# Allegro board LED_FIN.brd (continued)
## Placement (name value [footprint] x y rotation side) (continued)
D8681  0603_LED  [0603_SINGLE]  237.25 270 0 top
D8682  0603_LED  [0603_SINGLE]  239.25 270 0 top
D8683  0603_LED  [0603_SINGLE]  241.25 270 0 top
D8684  0603_LED  [0603_SINGLE]  243.25 270 0 top
D8685  0603_LED  [0603_SINGLE]  245.25 270 0 top
D8686  0603_LED  [0603_SINGLE]  247.25 270 0 top
D8687  0603_LED  [0603_SINGLE]  249.25 270 0 top
D8688  0603_LED  [0603_SINGLE]  251.25 270 0 top
D8689  0603_LED  [0603_SINGLE]  253.25 270 0 top
D8690  0603_LED  [0603_SINGLE]  255.25 270 0 top
D8691  0603_LED  [0603_SINGLE]  257.25 270 0 top
D8692  0603_LED  [0603_SINGLE]  259.25 270 0 top
D8693  0603_LED  [0603_SINGLE]  261.25 270 0 top
D8694  0603_LED  [0603_SINGLE]  263.25 270 0 top
D8695  0603_LED  [0603_SINGLE]  265.25 270 0 top
D8696  0603_LED  [0603_SINGLE]  267.25 270 0 top
D8697  0603_LED  [0603_SINGLE]  269.25 270 0 top
D8698  0603_LED  [0603_SINGLE]  271.25 270 0 top
D8699  0603_LED  [0603_SINGLE]  273.25 270 0 top
D8700  0603_LED  [0603_SINGLE]  275.25 270 0 top
D8701  0603_LED  [0603_SINGLE]  217.25 268 0 top
D8702  0603_LED  [0603_SINGLE]  219.25 268 0 top
D8703  0603_LED  [0603_SINGLE]  221.25 268 0 top
D8704  0603_LED  [0603_SINGLE]  223.25 268 0 top
D8705  0603_LED  [0603_SINGLE]  225.25 268 0 top
D8706  0603_LED  [0603_SINGLE]  227.25 268 0 top
D8707  0603_LED  [0603_SINGLE]  229.25 268 0 top
D8708  0603_LED  [0603_SINGLE]  231.25 268 0 top
D8709  0603_LED  [0603_SINGLE]  233.25 268 0 top
D8710  0603_LED  [0603_SINGLE]  235.25 268 0 top
D8711  0603_LED  [0603_SINGLE]  237.25 268 0 top
D8712  0603_LED  [0603_SINGLE]  239.25 268 0 top
D8713  0603_LED  [0603_SINGLE]  241.25 268 0 top
D8714  0603_LED  [0603_SINGLE]  243.25 268 0 top
D8715  0603_LED  [0603_SINGLE]  245.25 268 0 top
D8716  0603_LED  [0603_SINGLE]  247.25 268 0 top
D8717  0603_LED  [0603_SINGLE]  249.25 268 0 top
D8718  0603_LED  [0603_SINGLE]  251.25 268 0 top
D8719  0603_LED  [0603_SINGLE]  253.25 268 0 top
D8720  0603_LED  [0603_SINGLE]  255.25 268 0 top
D8721  0603_LED  [0603_SINGLE]  257.25 268 0 top
D8722  0603_LED  [0603_SINGLE]  259.25 268 0 top
D8723  0603_LED  [0603_SINGLE]  261.25 268 0 top
D8724  0603_LED  [0603_SINGLE]  263.25 268 0 top
D8725  0603_LED  [0603_SINGLE]  265.25 268 0 top
D8726  0603_LED  [0603_SINGLE]  267.25 268 0 top
D8727  0603_LED  [0603_SINGLE]  269.25 268 0 top
D8728  0603_LED  [0603_SINGLE]  271.25 268 0 top
D8729  0603_LED  [0603_SINGLE]  273.25 268 0 top
D8730  0603_LED  [0603_SINGLE]  275.25 268 0 top
D8731  0603_LED  [0603_SINGLE]  217.25 266 0 top
D8732  0603_LED  [0603_SINGLE]  219.25 266 0 top
D8733  0603_LED  [0603_SINGLE]  221.25 266 0 top
D8734  0603_LED  [0603_SINGLE]  223.25 266 0 top
D8735  0603_LED  [0603_SINGLE]  225.25 266 0 top
D8736  0603_LED  [0603_SINGLE]  227.25 266 0 top
D8737  0603_LED  [0603_SINGLE]  229.25 266 0 top
D8738  0603_LED  [0603_SINGLE]  231.25 266 0 top
D8739  0603_LED  [0603_SINGLE]  233.25 266 0 top
D8740  0603_LED  [0603_SINGLE]  235.25 266 0 top
D8741  0603_LED  [0603_SINGLE]  237.25 266 0 top
D8742  0603_LED  [0603_SINGLE]  239.25 266 0 top
D8743  0603_LED  [0603_SINGLE]  241.25 266 0 top
D8744  0603_LED  [0603_SINGLE]  243.25 266 0 top
D8745  0603_LED  [0603_SINGLE]  245.25 266 0 top
D8746  0603_LED  [0603_SINGLE]  247.25 266 0 top
D8747  0603_LED  [0603_SINGLE]  249.25 266 0 top
D8748  0603_LED  [0603_SINGLE]  251.25 266 0 top
D8749  0603_LED  [0603_SINGLE]  253.25 266 0 top
D8750  0603_LED  [0603_SINGLE]  255.25 266 0 top
D8751  0603_LED  [0603_SINGLE]  257.25 266 0 top
D8752  0603_LED  [0603_SINGLE]  259.25 266 0 top
D8753  0603_LED  [0603_SINGLE]  261.25 266 0 top
D8754  0603_LED  [0603_SINGLE]  263.25 266 0 top
D8755  0603_LED  [0603_SINGLE]  265.25 266 0 top
D8756  0603_LED  [0603_SINGLE]  267.25 266 0 top
D8757  0603_LED  [0603_SINGLE]  269.25 266 0 top
D8758  0603_LED  [0603_SINGLE]  271.25 266 0 top
D8759  0603_LED  [0603_SINGLE]  273.25 266 0 top
D8760  0603_LED  [0603_SINGLE]  275.25 266 0 top
D8761  0603_LED  [0603_SINGLE]  217.25 264 0 top
D8762  0603_LED  [0603_SINGLE]  219.25 264 0 top
D8763  0603_LED  [0603_SINGLE]  221.25 264 0 top
D8764  0603_LED  [0603_SINGLE]  223.25 264 0 top
D8765  0603_LED  [0603_SINGLE]  225.25 264 0 top
D8766  0603_LED  [0603_SINGLE]  227.25 264 0 top
D8767  0603_LED  [0603_SINGLE]  229.25 264 0 top
D8768  0603_LED  [0603_SINGLE]  231.25 264 0 top
D8769  0603_LED  [0603_SINGLE]  233.25 264 0 top
D8770  0603_LED  [0603_SINGLE]  235.25 264 0 top
D8771  0603_LED  [0603_SINGLE]  237.25 264 0 top
D8772  0603_LED  [0603_SINGLE]  239.25 264 0 top
D8773  0603_LED  [0603_SINGLE]  241.25 264 0 top
D8774  0603_LED  [0603_SINGLE]  243.25 264 0 top
D8775  0603_LED  [0603_SINGLE]  245.25 264 0 top
D8776  0603_LED  [0603_SINGLE]  247.25 264 0 top
D8777  0603_LED  [0603_SINGLE]  249.25 264 0 top
D8778  0603_LED  [0603_SINGLE]  251.25 264 0 top
D8779  0603_LED  [0603_SINGLE]  253.25 264 0 top
D8780  0603_LED  [0603_SINGLE]  255.25 264 0 top
D8781  0603_LED  [0603_SINGLE]  257.25 264 0 top
D8782  0603_LED  [0603_SINGLE]  259.25 264 0 top
D8783  0603_LED  [0603_SINGLE]  261.25 264 0 top
D8784  0603_LED  [0603_SINGLE]  263.25 264 0 top
D8785  0603_LED  [0603_SINGLE]  265.25 264 0 top
D8786  0603_LED  [0603_SINGLE]  267.25 264 0 top
D8787  0603_LED  [0603_SINGLE]  269.25 264 0 top
D8788  0603_LED  [0603_SINGLE]  271.25 264 0 top
D8789  0603_LED  [0603_SINGLE]  273.25 264 0 top
D8790  0603_LED  [0603_SINGLE]  275.25 264 0 top
D8791  0603_LED  [0603_SINGLE]  217.25 262 0 top
D8792  0603_LED  [0603_SINGLE]  219.25 262 0 top
D8793  0603_LED  [0603_SINGLE]  221.25 262 0 top
D8794  0603_LED  [0603_SINGLE]  223.25 262 0 top
D8795  0603_LED  [0603_SINGLE]  225.25 262 0 top
D8796  0603_LED  [0603_SINGLE]  227.25 262 0 top
D8797  0603_LED  [0603_SINGLE]  229.25 262 0 top
D8798  0603_LED  [0603_SINGLE]  231.25 262 0 top
D8799  0603_LED  [0603_SINGLE]  233.25 262 0 top
D8800  0603_LED  [0603_SINGLE]  235.25 262 0 top
D8801  0603_LED  [0603_SINGLE]  237.25 262 0 top
D8802  0603_LED  [0603_SINGLE]  239.25 262 0 top
D8803  0603_LED  [0603_SINGLE]  241.25 262 0 top
D8804  0603_LED  [0603_SINGLE]  243.25 262 0 top
D8805  0603_LED  [0603_SINGLE]  245.25 262 0 top
D8806  0603_LED  [0603_SINGLE]  247.25 262 0 top
D8807  0603_LED  [0603_SINGLE]  249.25 262 0 top
D8808  0603_LED  [0603_SINGLE]  251.25 262 0 top
D8809  0603_LED  [0603_SINGLE]  253.25 262 0 top
D8810  0603_LED  [0603_SINGLE]  255.25 262 0 top
D8811  0603_LED  [0603_SINGLE]  257.25 262 0 top
D8812  0603_LED  [0603_SINGLE]  259.25 262 0 top
D8813  0603_LED  [0603_SINGLE]  261.25 262 0 top
D8814  0603_LED  [0603_SINGLE]  263.25 262 0 top
D8815  0603_LED  [0603_SINGLE]  265.25 262 0 top
D8816  0603_LED  [0603_SINGLE]  267.25 262 0 top
D8817  0603_LED  [0603_SINGLE]  269.25 262 0 top
D8818  0603_LED  [0603_SINGLE]  271.25 262 0 top
D8819  0603_LED  [0603_SINGLE]  273.25 262 0 top
D8820  0603_LED  [0603_SINGLE]  275.25 262 0 top
D8821  0603_LED  [0603_SINGLE]  217.25 260 0 top
D8822  0603_LED  [0603_SINGLE]  219.25 260 0 top
D8823  0603_LED  [0603_SINGLE]  221.25 260 0 top
D8824  0603_LED  [0603_SINGLE]  223.25 260 0 top
D8825  0603_LED  [0603_SINGLE]  225.25 260 0 top
D8826  0603_LED  [0603_SINGLE]  227.25 260 0 top
D8827  0603_LED  [0603_SINGLE]  229.25 260 0 top
D8828  0603_LED  [0603_SINGLE]  231.25 260 0 top
D8829  0603_LED  [0603_SINGLE]  233.25 260 0 top
D8830  0603_LED  [0603_SINGLE]  235.25 260 0 top
D8831  0603_LED  [0603_SINGLE]  237.25 260 0 top
D8832  0603_LED  [0603_SINGLE]  239.25 260 0 top
D8833  0603_LED  [0603_SINGLE]  241.25 260 0 top
D8834  0603_LED  [0603_SINGLE]  243.25 260 0 top
D8835  0603_LED  [0603_SINGLE]  245.25 260 0 top
D8836  0603_LED  [0603_SINGLE]  247.25 260 0 top
D8837  0603_LED  [0603_SINGLE]  249.25 260 0 top
D8838  0603_LED  [0603_SINGLE]  251.25 260 0 top
D8839  0603_LED  [0603_SINGLE]  253.25 260 0 top
D8840  0603_LED  [0603_SINGLE]  255.25 260 0 top
D8841  0603_LED  [0603_SINGLE]  257.25 260 0 top
D8842  0603_LED  [0603_SINGLE]  259.25 260 0 top
D8843  0603_LED  [0603_SINGLE]  261.25 260 0 top
D8844  0603_LED  [0603_SINGLE]  263.25 260 0 top
D8845  0603_LED  [0603_SINGLE]  265.25 260 0 top
D8846  0603_LED  [0603_SINGLE]  267.25 260 0 top
D8847  0603_LED  [0603_SINGLE]  269.25 260 0 top
D8848  0603_LED  [0603_SINGLE]  271.25 260 0 top
D8849  0603_LED  [0603_SINGLE]  273.25 260 0 top
D8850  0603_LED  [0603_SINGLE]  275.25 260 0 top
D8851  0603_LED  [0603_SINGLE]  217.25 258 0 top
D8852  0603_LED  [0603_SINGLE]  219.25 258 0 top
D8853  0603_LED  [0603_SINGLE]  221.25 258 0 top
D8854  0603_LED  [0603_SINGLE]  223.25 258 0 top
D8855  0603_LED  [0603_SINGLE]  225.25 258 0 top
D8856  0603_LED  [0603_SINGLE]  227.25 258 0 top
D8857  0603_LED  [0603_SINGLE]  229.25 258 0 top
D8858  0603_LED  [0603_SINGLE]  231.25 258 0 top
D8859  0603_LED  [0603_SINGLE]  233.25 258 0 top
D8860  0603_LED  [0603_SINGLE]  235.25 258 0 top
D8861  0603_LED  [0603_SINGLE]  237.25 258 0 top
D8862  0603_LED  [0603_SINGLE]  239.25 258 0 top
D8863  0603_LED  [0603_SINGLE]  241.25 258 0 top
D8864  0603_LED  [0603_SINGLE]  243.25 258 0 top
D8865  0603_LED  [0603_SINGLE]  245.25 258 0 top
D8866  0603_LED  [0603_SINGLE]  247.25 258 0 top
D8867  0603_LED  [0603_SINGLE]  249.25 258 0 top
D8868  0603_LED  [0603_SINGLE]  251.25 258 0 top
D8869  0603_LED  [0603_SINGLE]  253.25 258 0 top
D8870  0603_LED  [0603_SINGLE]  255.25 258 0 top
D8871  0603_LED  [0603_SINGLE]  257.25 258 0 top
D8872  0603_LED  [0603_SINGLE]  259.25 258 0 top
D8873  0603_LED  [0603_SINGLE]  261.25 258 0 top
D8874  0603_LED  [0603_SINGLE]  263.25 258 0 top
D8875  0603_LED  [0603_SINGLE]  265.25 258 0 top
D8876  0603_LED  [0603_SINGLE]  267.25 258 0 top
D8877  0603_LED  [0603_SINGLE]  269.25 258 0 top
D8878  0603_LED  [0603_SINGLE]  271.25 258 0 top
D8879  0603_LED  [0603_SINGLE]  273.25 258 0 top
D8880  0603_LED  [0603_SINGLE]  275.25 258 0 top
D8881  0603_LED  [0603_SINGLE]  217.25 256 0 top
D8882  0603_LED  [0603_SINGLE]  219.25 256 0 top
D8883  0603_LED  [0603_SINGLE]  221.25 256 0 top
D8884  0603_LED  [0603_SINGLE]  223.25 256 0 top
D8885  0603_LED  [0603_SINGLE]  225.25 256 0 top
D8886  0603_LED  [0603_SINGLE]  227.25 256 0 top
D8887  0603_LED  [0603_SINGLE]  229.25 256 0 top
D8888  0603_LED  [0603_SINGLE]  231.25 256 0 top
D8889  0603_LED  [0603_SINGLE]  233.25 256 0 top
D8890  0603_LED  [0603_SINGLE]  235.25 256 0 top
D8891  0603_LED  [0603_SINGLE]  237.25 256 0 top
D8892  0603_LED  [0603_SINGLE]  239.25 256 0 top
D8893  0603_LED  [0603_SINGLE]  241.25 256 0 top
D8894  0603_LED  [0603_SINGLE]  243.25 256 0 top
D8895  0603_LED  [0603_SINGLE]  245.25 256 0 top
D8896  0603_LED  [0603_SINGLE]  247.25 256 0 top
D8897  0603_LED  [0603_SINGLE]  249.25 256 0 top
D8898  0603_LED  [0603_SINGLE]  251.25 256 0 top
D8899  0603_LED  [0603_SINGLE]  253.25 256 0 top
D8900  0603_LED  [0603_SINGLE]  255.25 256 0 top
D8901  0603_LED  [0603_SINGLE]  257.25 256 0 top
D8902  0603_LED  [0603_SINGLE]  259.25 256 0 top
D8903  0603_LED  [0603_SINGLE]  261.25 256 0 top
D8904  0603_LED  [0603_SINGLE]  263.25 256 0 top
D8905  0603_LED  [0603_SINGLE]  265.25 256 0 top
D8906  0603_LED  [0603_SINGLE]  267.25 256 0 top
D8907  0603_LED  [0603_SINGLE]  269.25 256 0 top
D8908  0603_LED  [0603_SINGLE]  271.25 256 0 top
D8909  0603_LED  [0603_SINGLE]  273.25 256 0 top
D8910  0603_LED  [0603_SINGLE]  275.25 256 0 top
D8911  0603_LED  [0603_SINGLE]  217.25 254 0 top
D8912  0603_LED  [0603_SINGLE]  219.25 254 0 top
D8913  0603_LED  [0603_SINGLE]  221.25 254 0 top
D8914  0603_LED  [0603_SINGLE]  223.25 254 0 top
D8915  0603_LED  [0603_SINGLE]  225.25 254 0 top
D8916  0603_LED  [0603_SINGLE]  227.25 254 0 top
D8917  0603_LED  [0603_SINGLE]  229.25 254 0 top
D8918  0603_LED  [0603_SINGLE]  231.25 254 0 top
D8919  0603_LED  [0603_SINGLE]  233.25 254 0 top
D8920  0603_LED  [0603_SINGLE]  235.25 254 0 top
D8921  0603_LED  [0603_SINGLE]  237.25 254 0 top
D8922  0603_LED  [0603_SINGLE]  239.25 254 0 top
D8923  0603_LED  [0603_SINGLE]  241.25 254 0 top
D8924  0603_LED  [0603_SINGLE]  243.25 254 0 top
D8925  0603_LED  [0603_SINGLE]  245.25 254 0 top
D8926  0603_LED  [0603_SINGLE]  247.25 254 0 top
D8927  0603_LED  [0603_SINGLE]  249.25 254 0 top
D8928  0603_LED  [0603_SINGLE]  251.25 254 0 top
D8929  0603_LED  [0603_SINGLE]  253.25 254 0 top
D8930  0603_LED  [0603_SINGLE]  255.25 254 0 top
D8931  0603_LED  [0603_SINGLE]  257.25 254 0 top
D8932  0603_LED  [0603_SINGLE]  259.25 254 0 top
D8933  0603_LED  [0603_SINGLE]  261.25 254 0 top
D8934  0603_LED  [0603_SINGLE]  263.25 254 0 top
D8935  0603_LED  [0603_SINGLE]  265.25 254 0 top
D8936  0603_LED  [0603_SINGLE]  267.25 254 0 top
D8937  0603_LED  [0603_SINGLE]  269.25 254 0 top
D8938  0603_LED  [0603_SINGLE]  271.25 254 0 top
D8939  0603_LED  [0603_SINGLE]  273.25 254 0 top
D8940  0603_LED  [0603_SINGLE]  275.25 254 0 top
D8941  0603_LED  [0603_SINGLE]  217.25 252 0 top
D8942  0603_LED  [0603_SINGLE]  219.25 252 0 top
D8943  0603_LED  [0603_SINGLE]  221.25 252 0 top
D8944  0603_LED  [0603_SINGLE]  223.25 252 0 top
D8945  0603_LED  [0603_SINGLE]  225.25 252 0 top
D8946  0603_LED  [0603_SINGLE]  227.25 252 0 top
D8947  0603_LED  [0603_SINGLE]  229.25 252 0 top
D8948  0603_LED  [0603_SINGLE]  231.25 252 0 top
D8949  0603_LED  [0603_SINGLE]  233.25 252 0 top
D8950  0603_LED  [0603_SINGLE]  235.25 252 0 top
D8951  0603_LED  [0603_SINGLE]  237.25 252 0 top
D8952  0603_LED  [0603_SINGLE]  239.25 252 0 top
D8953  0603_LED  [0603_SINGLE]  241.25 252 0 top
D8954  0603_LED  [0603_SINGLE]  243.25 252 0 top
D8955  0603_LED  [0603_SINGLE]  245.25 252 0 top
D8956  0603_LED  [0603_SINGLE]  247.25 252 0 top
D8957  0603_LED  [0603_SINGLE]  249.25 252 0 top
D8958  0603_LED  [0603_SINGLE]  251.25 252 0 top
D8959  0603_LED  [0603_SINGLE]  253.25 252 0 top
D8960  0603_LED  [0603_SINGLE]  255.25 252 0 top
D8961  0603_LED  [0603_SINGLE]  257.25 252 0 top
D8962  0603_LED  [0603_SINGLE]  259.25 252 0 top
D8963  0603_LED  [0603_SINGLE]  261.25 252 0 top
D8964  0603_LED  [0603_SINGLE]  263.25 252 0 top
D8965  0603_LED  [0603_SINGLE]  265.25 252 0 top
D8966  0603_LED  [0603_SINGLE]  267.25 252 0 top
D8967  0603_LED  [0603_SINGLE]  269.25 252 0 top
D8968  0603_LED  [0603_SINGLE]  271.25 252 0 top
D8969  0603_LED  [0603_SINGLE]  273.25 252 0 top
D8970  0603_LED  [0603_SINGLE]  275.25 252 0 top
D8971  0603_LED  [0603_SINGLE]  217.25 250 0 top
D8972  0603_LED  [0603_SINGLE]  219.25 250 0 top
D8973  0603_LED  [0603_SINGLE]  221.25 250 0 top
D8974  0603_LED  [0603_SINGLE]  223.25 250 0 top
D8975  0603_LED  [0603_SINGLE]  225.25 250 0 top
D8976  0603_LED  [0603_SINGLE]  227.25 250 0 top
D8977  0603_LED  [0603_SINGLE]  229.25 250 0 top
D8978  0603_LED  [0603_SINGLE]  231.25 250 0 top
D8979  0603_LED  [0603_SINGLE]  233.25 250 0 top
D8980  0603_LED  [0603_SINGLE]  235.25 250 0 top
D8981  0603_LED  [0603_SINGLE]  237.25 250 0 top
D8982  0603_LED  [0603_SINGLE]  239.25 250 0 top
D8983  0603_LED  [0603_SINGLE]  241.25 250 0 top
D8984  0603_LED  [0603_SINGLE]  243.25 250 0 top
D8985  0603_LED  [0603_SINGLE]  245.25 250 0 top
D8986  0603_LED  [0603_SINGLE]  247.25 250 0 top
D8987  0603_LED  [0603_SINGLE]  249.25 250 0 top
D8988  0603_LED  [0603_SINGLE]  251.25 250 0 top
D8989  0603_LED  [0603_SINGLE]  253.25 250 0 top
D8990  0603_LED  [0603_SINGLE]  255.25 250 0 top
D8991  0603_LED  [0603_SINGLE]  257.25 250 0 top
D8992  0603_LED  [0603_SINGLE]  259.25 250 0 top
D8993  0603_LED  [0603_SINGLE]  261.25 250 0 top
D8994  0603_LED  [0603_SINGLE]  263.25 250 0 top
D8995  0603_LED  [0603_SINGLE]  265.25 250 0 top
D8996  0603_LED  [0603_SINGLE]  267.25 250 0 top
D8997  0603_LED  [0603_SINGLE]  269.25 250 0 top
D8998  0603_LED  [0603_SINGLE]  271.25 250 0 top
D8999  0603_LED  [0603_SINGLE]  273.25 250 0 top
D9000  0603_LED  [0603_SINGLE]  275.25 250 0 top
D9001  0603_LED  [0603_SINGLE]  217.25 248 0 top
D9002  0603_LED  [0603_SINGLE]  219.25 248 0 top
D9003  0603_LED  [0603_SINGLE]  221.25 248 0 top
D9004  0603_LED  [0603_SINGLE]  223.25 248 0 top
D9005  0603_LED  [0603_SINGLE]  225.25 248 0 top
D9006  0603_LED  [0603_SINGLE]  227.25 248 0 top
D9007  0603_LED  [0603_SINGLE]  229.25 248 0 top
D9008  0603_LED  [0603_SINGLE]  231.25 248 0 top
D9009  0603_LED  [0603_SINGLE]  233.25 248 0 top
D9010  0603_LED  [0603_SINGLE]  235.25 248 0 top
D9011  0603_LED  [0603_SINGLE]  237.25 248 0 top
D9012  0603_LED  [0603_SINGLE]  239.25 248 0 top
D9013  0603_LED  [0603_SINGLE]  241.25 248 0 top
D9014  0603_LED  [0603_SINGLE]  243.25 248 0 top
D9015  0603_LED  [0603_SINGLE]  245.25 248 0 top
D9016  0603_LED  [0603_SINGLE]  247.25 248 0 top
D9017  0603_LED  [0603_SINGLE]  249.25 248 0 top
D9018  0603_LED  [0603_SINGLE]  251.25 248 0 top
D9019  0603_LED  [0603_SINGLE]  253.25 248 0 top
D9020  0603_LED  [0603_SINGLE]  255.25 248 0 top
D9021  0603_LED  [0603_SINGLE]  257.25 248 0 top
D9022  0603_LED  [0603_SINGLE]  259.25 248 0 top
D9023  0603_LED  [0603_SINGLE]  261.25 248 0 top
D9024  0603_LED  [0603_SINGLE]  263.25 248 0 top
D9025  0603_LED  [0603_SINGLE]  265.25 248 0 top
D9026  0603_LED  [0603_SINGLE]  267.25 248 0 top
D9027  0603_LED  [0603_SINGLE]  269.25 248 0 top
D9028  0603_LED  [0603_SINGLE]  271.25 248 0 top
D9029  0603_LED  [0603_SINGLE]  273.25 248 0 top
D9030  0603_LED  [0603_SINGLE]  275.25 248 0 top
D9031  0603_LED  [0603_SINGLE]  217.25 246 0 top
D9032  0603_LED  [0603_SINGLE]  219.25 246 0 top
D9033  0603_LED  [0603_SINGLE]  221.25 246 0 top
D9034  0603_LED  [0603_SINGLE]  223.25 246 0 top
D9035  0603_LED  [0603_SINGLE]  225.25 246 0 top
D9036  0603_LED  [0603_SINGLE]  227.25 246 0 top
D9037  0603_LED  [0603_SINGLE]  229.25 246 0 top
D9038  0603_LED  [0603_SINGLE]  231.25 246 0 top
D9039  0603_LED  [0603_SINGLE]  233.25 246 0 top
D9040  0603_LED  [0603_SINGLE]  235.25 246 0 top
D9041  0603_LED  [0603_SINGLE]  237.25 246 0 top
D9042  0603_LED  [0603_SINGLE]  239.25 246 0 top
D9043  0603_LED  [0603_SINGLE]  241.25 246 0 top
D9044  0603_LED  [0603_SINGLE]  243.25 246 0 top
D9045  0603_LED  [0603_SINGLE]  245.25 246 0 top
D9046  0603_LED  [0603_SINGLE]  247.25 246 0 top
D9047  0603_LED  [0603_SINGLE]  249.25 246 0 top
D9048  0603_LED  [0603_SINGLE]  251.25 246 0 top
D9049  0603_LED  [0603_SINGLE]  253.25 246 0 top
D9050  0603_LED  [0603_SINGLE]  255.25 246 0 top
D9051  0603_LED  [0603_SINGLE]  257.25 246 0 top
D9052  0603_LED  [0603_SINGLE]  259.25 246 0 top
D9053  0603_LED  [0603_SINGLE]  261.25 246 0 top
D9054  0603_LED  [0603_SINGLE]  263.25 246 0 top
D9055  0603_LED  [0603_SINGLE]  265.25 246 0 top
D9056  0603_LED  [0603_SINGLE]  267.25 246 0 top
D9057  0603_LED  [0603_SINGLE]  269.25 246 0 top
D9058  0603_LED  [0603_SINGLE]  271.25 246 0 top
D9059  0603_LED  [0603_SINGLE]  273.25 246 0 top
D9060  0603_LED  [0603_SINGLE]  275.25 246 0 top
D9061  0603_LED  [0603_SINGLE]  217.25 244 0 top
D9062  0603_LED  [0603_SINGLE]  219.25 244 0 top
D9063  0603_LED  [0603_SINGLE]  221.25 244 0 top
D9064  0603_LED  [0603_SINGLE]  223.25 244 0 top
D9065  0603_LED  [0603_SINGLE]  225.25 244 0 top
D9066  0603_LED  [0603_SINGLE]  227.25 244 0 top
D9067  0603_LED  [0603_SINGLE]  229.25 244 0 top
D9068  0603_LED  [0603_SINGLE]  231.25 244 0 top
D9069  0603_LED  [0603_SINGLE]  233.25 244 0 top
D9070  0603_LED  [0603_SINGLE]  235.25 244 0 top
D9071  0603_LED  [0603_SINGLE]  237.25 244 0 top
D9072  0603_LED  [0603_SINGLE]  239.25 244 0 top
D9073  0603_LED  [0603_SINGLE]  241.25 244 0 top
D9074  0603_LED  [0603_SINGLE]  243.25 244 0 top
D9075  0603_LED  [0603_SINGLE]  245.25 244 0 top
D9076  0603_LED  [0603_SINGLE]  247.25 244 0 top
D9077  0603_LED  [0603_SINGLE]  249.25 244 0 top
D9078  0603_LED  [0603_SINGLE]  251.25 244 0 top
D9079  0603_LED  [0603_SINGLE]  253.25 244 0 top
D9080  0603_LED  [0603_SINGLE]  255.25 244 0 top
D9081  0603_LED  [0603_SINGLE]  257.25 244 0 top
D9082  0603_LED  [0603_SINGLE]  259.25 244 0 top
D9083  0603_LED  [0603_SINGLE]  261.25 244 0 top
D9084  0603_LED  [0603_SINGLE]  263.25 244 0 top
D9085  0603_LED  [0603_SINGLE]  265.25 244 0 top
D9086  0603_LED  [0603_SINGLE]  267.25 244 0 top
D9087  0603_LED  [0603_SINGLE]  269.25 244 0 top
D9088  0603_LED  [0603_SINGLE]  271.25 244 0 top
D9089  0603_LED  [0603_SINGLE]  273.25 244 0 top
D9090  0603_LED  [0603_SINGLE]  275.25 244 0 top
D9091  0603_LED  [0603_SINGLE]  217.25 242 0 top
D9092  0603_LED  [0603_SINGLE]  219.25 242 0 top
D9093  0603_LED  [0603_SINGLE]  221.25 242 0 top
D9094  0603_LED  [0603_SINGLE]  223.25 242 0 top
D9095  0603_LED  [0603_SINGLE]  225.25 242 0 top
D9096  0603_LED  [0603_SINGLE]  227.25 242 0 top
D9097  0603_LED  [0603_SINGLE]  229.25 242 0 top
D9098  0603_LED  [0603_SINGLE]  231.25 242 0 top
D9099  0603_LED  [0603_SINGLE]  233.25 242 0 top
D9100  0603_LED  [0603_SINGLE]  235.25 242 0 top
D9101  0603_LED  [0603_SINGLE]  237.25 242 0 top
D9102  0603_LED  [0603_SINGLE]  239.25 242 0 top
D9103  0603_LED  [0603_SINGLE]  241.25 242 0 top
D9104  0603_LED  [0603_SINGLE]  243.25 242 0 top
D9105  0603_LED  [0603_SINGLE]  245.25 242 0 top
D9106  0603_LED  [0603_SINGLE]  247.25 242 0 top
D9107  0603_LED  [0603_SINGLE]  249.25 242 0 top
D9108  0603_LED  [0603_SINGLE]  251.25 242 0 top
D9109  0603_LED  [0603_SINGLE]  253.25 242 0 top
D9110  0603_LED  [0603_SINGLE]  255.25 242 0 top
D9111  0603_LED  [0603_SINGLE]  257.25 242 0 top
D9112  0603_LED  [0603_SINGLE]  259.25 242 0 top
D9113  0603_LED  [0603_SINGLE]  261.25 242 0 top
D9114  0603_LED  [0603_SINGLE]  263.25 242 0 top
D9115  0603_LED  [0603_SINGLE]  265.25 242 0 top
D9116  0603_LED  [0603_SINGLE]  267.25 242 0 top
D9117  0603_LED  [0603_SINGLE]  269.25 242 0 top
D9118  0603_LED  [0603_SINGLE]  271.25 242 0 top
D9119  0603_LED  [0603_SINGLE]  273.25 242 0 top
D9120  0603_LED  [0603_SINGLE]  275.25 242 0 top
D9121  0603_LED  [0603_SINGLE]  37.25 240 0 top
D9122  0603_LED  [0603_SINGLE]  39.25 240 0 top
D9123  0603_LED  [0603_SINGLE]  41.25 240 0 top
D9124  0603_LED  [0603_SINGLE]  43.25 240 0 top
D9125  0603_LED  [0603_SINGLE]  45.25 240 0 top
D9126  0603_LED  [0603_SINGLE]  47.25 240 0 top
D9127  0603_LED  [0603_SINGLE]  49.25 240 0 top
D9128  0603_LED  [0603_SINGLE]  51.25 240 0 top
D9129  0603_LED  [0603_SINGLE]  53.25 240 0 top
D9130  0603_LED  [0603_SINGLE]  55.25 240 0 top
D9131  0603_LED  [0603_SINGLE]  57.25 240 0 top
D9132  0603_LED  [0603_SINGLE]  59.25 240 0 top
D9133  0603_LED  [0603_SINGLE]  61.25 240 0 top
D9134  0603_LED  [0603_SINGLE]  63.25 240 0 top
D9135  0603_LED  [0603_SINGLE]  65.25 240 0 top
D9136  0603_LED  [0603_SINGLE]  67.25 240 0 top
D9137  0603_LED  [0603_SINGLE]  69.25 240 0 top
D9138  0603_LED  [0603_SINGLE]  71.25 240 0 top
D9139  0603_LED  [0603_SINGLE]  73.25 240 0 top
D9140  0603_LED  [0603_SINGLE]  75.25 240 0 top
D9141  0603_LED  [0603_SINGLE]  77.25 240 0 top
D9142  0603_LED  [0603_SINGLE]  79.25 240 0 top
D9143  0603_LED  [0603_SINGLE]  81.25 240 0 top
D9144  0603_LED  [0603_SINGLE]  83.25 240 0 top
D9145  0603_LED  [0603_SINGLE]  85.25 240 0 top
D9146  0603_LED  [0603_SINGLE]  87.25 240 0 top
D9147  0603_LED  [0603_SINGLE]  89.25 240 0 top
D9148  0603_LED  [0603_SINGLE]  91.25 240 0 top
D9149  0603_LED  [0603_SINGLE]  93.25 240 0 top
D9150  0603_LED  [0603_SINGLE]  95.25 240 0 top
D9151  0603_LED  [0603_SINGLE]  37.25 238 0 top
D9152  0603_LED  [0603_SINGLE]  39.25 238 0 top
D9153  0603_LED  [0603_SINGLE]  41.25 238 0 top
D9154  0603_LED  [0603_SINGLE]  43.25 238 0 top
D9155  0603_LED  [0603_SINGLE]  45.25 238 0 top
D9156  0603_LED  [0603_SINGLE]  47.25 238 0 top
D9157  0603_LED  [0603_SINGLE]  49.25 238 0 top
D9158  0603_LED  [0603_SINGLE]  51.25 238 0 top
D9159  0603_LED  [0603_SINGLE]  53.25 238 0 top
D9160  0603_LED  [0603_SINGLE]  55.25 238 0 top
D9161  0603_LED  [0603_SINGLE]  57.25 238 0 top
D9162  0603_LED  [0603_SINGLE]  59.25 238 0 top
D9163  0603_LED  [0603_SINGLE]  61.25 238 0 top
D9164  0603_LED  [0603_SINGLE]  63.25 238 0 top
D9165  0603_LED  [0603_SINGLE]  65.25 238 0 top
D9166  0603_LED  [0603_SINGLE]  67.25 238 0 top
D9167  0603_LED  [0603_SINGLE]  69.25 238 0 top
D9168  0603_LED  [0603_SINGLE]  71.25 238 0 top
D9169  0603_LED  [0603_SINGLE]  73.25 238 0 top
D9170  0603_LED  [0603_SINGLE]  75.25 238 0 top
D9171  0603_LED  [0603_SINGLE]  77.25 238 0 top
D9172  0603_LED  [0603_SINGLE]  79.25 238 0 top
D9173  0603_LED  [0603_SINGLE]  81.25 238 0 top
D9174  0603_LED  [0603_SINGLE]  83.25 238 0 top
D9175  0603_LED  [0603_SINGLE]  85.25 238 0 top
D9176  0603_LED  [0603_SINGLE]  87.25 238 0 top
D9177  0603_LED  [0603_SINGLE]  89.25 238 0 top
D9178  0603_LED  [0603_SINGLE]  91.25 238 0 top
D9179  0603_LED  [0603_SINGLE]  93.25 238 0 top
D9180  0603_LED  [0603_SINGLE]  95.25 238 0 top
D9181  0603_LED  [0603_SINGLE]  37.25 236 0 top
D9182  0603_LED  [0603_SINGLE]  39.25 236 0 top
D9183  0603_LED  [0603_SINGLE]  41.25 236 0 top
D9184  0603_LED  [0603_SINGLE]  43.25 236 0 top
D9185  0603_LED  [0603_SINGLE]  45.25 236 0 top
D9186  0603_LED  [0603_SINGLE]  47.25 236 0 top
D9187  0603_LED  [0603_SINGLE]  49.25 236 0 top
D9188  0603_LED  [0603_SINGLE]  51.25 236 0 top
D9189  0603_LED  [0603_SINGLE]  53.25 236 0 top
D9190  0603_LED  [0603_SINGLE]  55.25 236 0 top
D9191  0603_LED  [0603_SINGLE]  57.25 236 0 top
